# Altium PCB TEBF0808.PcbDoc (part 5 of 11)
Units mm, origin at the board's own origin, x right, y up, seen from the top; angles counter-clockwise.
Board outline 170 x 170 mm, 16 copper layers (L 01, L 02 G, L 03 S, L 04 G, L 05 S, L 06 G, L 07 P, L 08 P, L 09 P, L 10 P, L 11 G, L 12 S, L 13 G, L 14 S, L 15 G, L 16), stack 1.774 mm thick; 609 components, 869 nets, 3941 pads, 2358 vias.
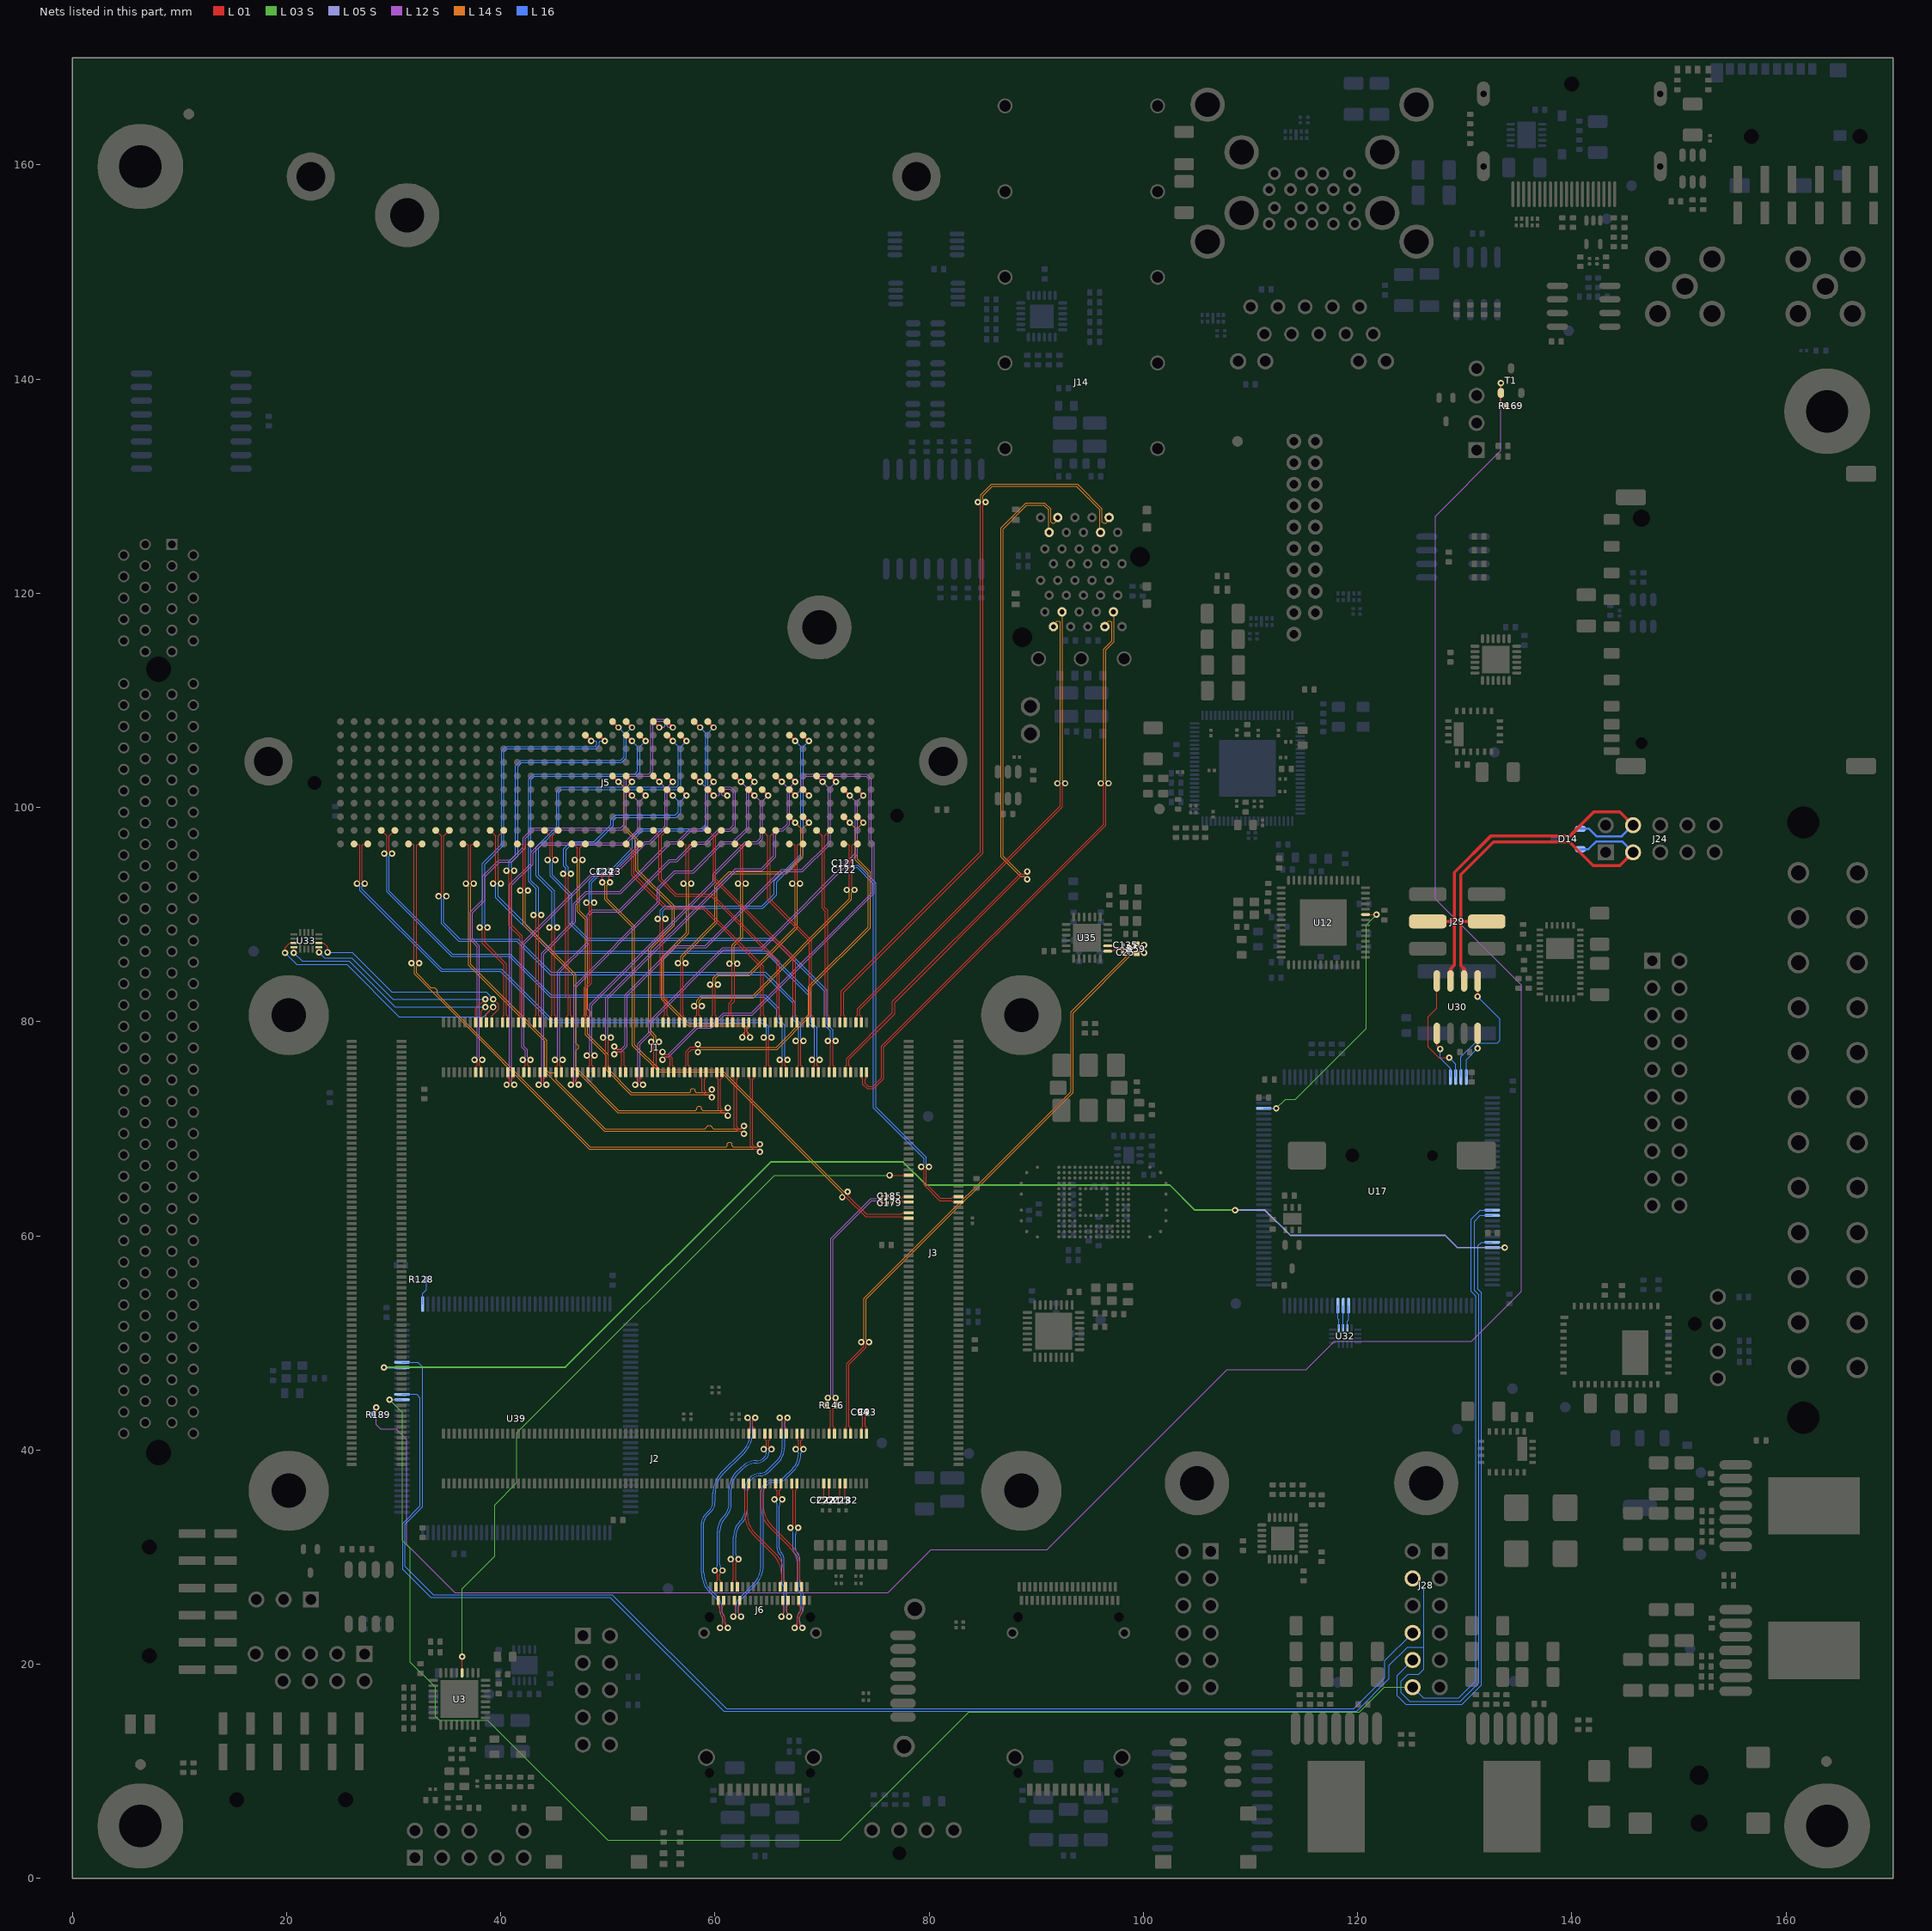
[diagram p19: the nets of this part, all layers, seen from the top]

## Via types
v1: diameter 0.6, hole 0.3, L 01 to L 16, 2356 vias
v2: diameter 0.6/0/0/0/0/0/0/0/0/0/0/0/0/0/0/0.6 (per signal layer), hole 0.3, L 01 to L 16, 2 vias

## Nets (pads, with @x,y where several pads share a name; then routed paths per layer and width w, separated by ;. In a path a pad name is that pad's centre, name@x,y a point inside that pad or via, vN(x,y) a via of type N, cw(c..) or ccw(c..) an arc to the next point about the centre after c; other vN are vias at no path point) (continued)
B66_L6_N: J1.77 J5.J7 | length 38.4
  L 01 w0.1: v1(54.65,89.6) 54.9,89.35 54.9,82.4 55.295,82.005 55.295,80.593 55.155,80.453 J1.77@55.155,79.938
  L 01 w0.2: J5.J7@66.946,106.745 v1(67.495,106.196)
  L 16 w0.1: v1(54.65,89.6) 54.9,89.85 54.9,90.4 55.3,90.8 64.4,90.8 65.53,91.93 65.53,93.13 68.02,95.62 68.02,105.671 v1(67.495,106.196)
B66_L6_P: J1.75 J5.J6 | length 38.4
  L 01 w0.1: v1(55.37,89.6) 55.12,89.35 55.12,82.491 55.515,82.096 55.515,80.593 55.655,80.453 J1.75@55.655,79.938
  L 01 w0.2: J5.J6@68.216,106.745 v1(68.765,106.196)
  L 16 w0.1: v1(55.37,89.6) 55.12,89.85 55.12,90.309 55.391,90.58 64.491,90.58 65.75,91.839 65.75,93.039 68.24,95.529 68.24,105.671 v1(68.765,106.196)
B66_L7_N: J1.100 J5.F8 | length 37
  L 01 w0.1: v1(49.545,78.5) 49.795,78.25 49.795,75.923 49.655,75.783 J1.100@49.655,75.268
  L 01 w0.2: J5.F8@65.676,102.935 v1(66.225,102.386)
  L 12 S w0.08: v1(49.545,78.5) 49.8,78.755 49.8,82.2 61.9,94.3 64.3,94.3 65.5,95.5 65.5,97.549 65.951,98 66.3,98 66.76,98.46 66.76,101.851 v1(66.225,102.386)
B66_L7_P: J1.98 J5.F7 | length 37
  L 01 w0.1: J1.98@50.155,75.268 50.155,75.783 50.015,75.923 50.015,78.25 v1(50.265,78.5)
  L 01 w0.2: J5.F7@66.946,102.935 v1(67.495,102.386)
  L 12 S w0.08: v1(50.265,78.5) 50,78.765 50,82.117 61.983,94.1 64.383,94.1 65.7,95.417 65.7,97.466 66.034,97.8 66.383,97.8 66.96,98.378 66.96,101.851 v1(67.495,102.386)
B66_L8_N: J1.130 J5.F17 | length 35.5
  L 01 w0.1: v1(42.045,76.43) 42.295,76.18 42.295,75.923 42.155,75.783 J1.130@42.155,75.268
  L 01 w0.2: J5.F17@54.246,102.935 v1(54.795,102.386)
  L 12 S w0.08: v1(42.045,76.43) 42.305,76.69 42.305,77.265 41.975,77.595 41.975,87.325 48.45,93.8 50.45,93.8 53.45,96.8 53.88,96.8 55.33,98.25 55.33,101.851 v1(54.795,102.386)
B66_L8_P: J1.128 J5.F16 | length 35.5
  L 01 w0.1: J1.128@42.655,75.268 42.655,75.783 42.515,75.923 42.515,76.18 v1(42.765,76.43)
  L 01 w0.2: J5.F16@55.516,102.935 v1(56.065,102.386)
  L 12 S w0.08: v1(42.765,76.43) 42.505,76.69 42.505,77.348 42.175,77.678 42.175,87.242 48.533,93.6 50.533,93.6 53.533,96.6 53.963,96.6 55.183,97.82 55.53,98.168 55.53,101.851 v1(56.065,102.386)
B66_L9_N: J1.76 J5.E7 | length 48.7
  L 01 w0.1: v1(55.1,76.45) 55.35,76.7 55.6,76.7 55.795,76.505 55.795,75.923 55.655,75.783 J1.76@55.655,75.268
  L 01 w0.2: J5.E7@66.946,101.665 v1(67.495,101.116)
  L 12 S w0.08: v1(55.1,76.45) 55.36,76.71 55.693,76.71 58.383,79.4 59.683,79.4 60.883,80.6 63.483,80.6 74.75,91.867 74.85,91.967 74.85,96.675 74.6,96.925 74.6,102.683 74.183,103.1 68.417,103.1 68.03,102.713 68.03,101.651 v1(67.495,101.116)
B66_L9_P: J1.74 J5.E6 | length 48
  L 01 w0.1: v1(55.1,77.17) 55.35,76.92 55.691,76.92 56.015,76.596 56.015,75.923 56.155,75.783 J1.74@56.155,75.268
  L 01 w0.2: J5.E6@68.216,101.665 v1(68.765,101.116)
  L 12 S w0.08: v1(55.1,77.17) 55.36,76.91 55.61,76.91 58.3,79.6 59.6,79.6 60.8,80.8 63.4,80.8 74.65,92.05 74.65,96.592 74.4,96.842 74.4,102.6 74.1,102.9 68.5,102.9 68.23,102.63 68.23,101.651 v1(68.765,101.116)
B66_L10_N: J1.135 J5.J21 | length 37.9
  L 01 w0.1: v1(38.75,88.8) 38.5,88.55 38.5,87.411 40.515,85.396 40.515,80.593 40.655,80.453 J1.135@40.655,79.938
  L 01 w0.2: J5.J21@49.166,106.745 v1(49.715,106.196)
  L 16 w0.1: v1(38.75,88.8) 38.5,89.05 38.5,94.689 40.3,96.489 40.3,105.2 40.58,105.48 48.891,105.48 49.19,105.779 49.19,106.1 49.286,106.196 v1(49.715,106.196)
B66_L10_P: J1.137 J5.J22 | length 37.9
  L 01 w0.1: v1(38.03,88.8) 38.28,88.55 38.28,87.32 40.295,85.305 40.295,80.593 40.155,80.453 J1.137@40.155,79.938
  L 01 w0.2: J5.J22@47.896,106.745 v1(48.445,106.196)
  L 16 w0.1: v1(38.03,88.8) 38.28,89.05 38.28,94.78 40.08,96.58 40.08,105.291 40.489,105.7 48.8,105.7 48.97,105.87 48.97,106.1 48.875,106.196 v1(48.445,106.196)
B66_L11_N: J1.92 J5.F5 | length 40.6
  L 01 w0.1: v1(50.6,77.67) 50.85,77.42 51.191,77.42 51.515,77.096 51.515,75.923 51.655,75.783 J1.92@51.655,75.268
  L 01 w0.2: J5.F5@69.486,102.935 v1(70.035,102.386)
  L 12 S w0.08: v1(50.6,77.67) 50.86,77.41 51.21,77.41 51.6,77.8 51.6,82.483 56.217,87.1 59.117,87.1 66.217,94.2 68.1,94.2 70.57,96.67 70.57,101.851 v1(70.035,102.386)
B66_L11_P: J1.94 J5.F4 | length 40.5
  L 01 w0.1: v1(50.6,76.95) 50.85,77.2 51.1,77.2 51.295,77.005 51.295,75.923 51.155,75.783 J1.94@51.155,75.268
  L 01 w0.2: J5.F4@70.756,102.935 v1(71.305,102.386)
  L 12 S w0.08: v1(50.6,76.95) 50.86,77.21 51.293,77.21 51.8,77.717 51.8,82.4 56.3,86.9 59.2,86.9 66.3,94 68.183,94 70.77,96.588 70.77,101.851 v1(71.305,102.386)
B66_L12_N: J1.116 J5.E13 | length 39.9
  L 01 w0.1: J1.116@45.655,75.268 45.655,75.783 45.515,75.923 45.515,76.18 v1(45.765,76.43)
  L 01 w0.2: J5.E13@59.326,101.665 v1(59.875,101.116)
  L 12 S w0.08: v1(45.765,76.43) 45.505,76.69 45.505,84.605 48.25,87.35 48.25,89.9 48.6,90.25 51.15,90.25 55.817,94.917 56.45,94.917 58.113,96.58 59.23,96.58 60.434,97.784 61.447,97.784 61.9,98.237 61.9,101.483 61.483,101.9 60.717,101.9 60.41,101.593 60.41,101.2 60.326,101.116 v1(59.875,101.116)
B66_L12_P: J1.118 J5.E12 | length 39.3
  L 01 w0.1: v1(45.045,76.43) 45.295,76.18 45.295,75.923 45.155,75.783 J1.118@45.155,75.268
  L 01 w0.2: J5.E12@60.596,101.665 v1(61.145,101.116)
  L 12 S w0.08: v1(45.045,76.43) 45.305,76.69 45.305,84.688 48.05,87.433 48.05,89.983 48.517,90.45 51.067,90.45 55.734,95.117 56.367,95.117 58.03,96.78 59.147,96.78 60.351,97.984 61.364,97.984 61.7,98.32 61.7,101.4 61.4,101.7 60.8,101.7 60.61,101.51 60.61,101.2 60.695,101.116 v1(61.145,101.116)
B66_L13_N: J1.88 J5.E3 | length 39.9
  L 01 w0.1: v1(52.545,74.106) 52.795,74.356 52.795,74.613 52.655,74.753 J1.88@52.655,75.268
  L 01 w0.2: J5.E3@72.026,101.665 v1(72.575,101.116)
  L 12 S w0.08: v1(52.545,74.106) 52.8,74.36 52.8,77.975 53.795,78.97 53.795,79.978 60.717,86.9 64.3,86.9 73.11,95.71 73.11,100.581 v1(72.575,101.116)
B66_L13_P: J1.86 J5.E2 | length 40
  L 01 w0.1: J1.86@53.155,75.268 53.155,74.753 53.015,74.613 53.015,74.356 v1(53.265,74.106)
  L 01 w0.2: J5.E2@73.296,101.665 v1(73.845,101.116)
  L 12 S w0.08: v1(53.265,74.106) 53,74.371 53,77.892 53.995,78.888 53.995,79.895 60.8,86.7 64.383,86.7 73.31,95.628 73.31,100.581 v1(73.845,101.116)
B66_L14_N: J1.146 J5.K17 | length 49.6
  L 01 w0.1: J1.146@38.155,75.268 38.155,75.783 38.015,75.923 38.015,76.18 v1(38.265,76.43)
  L 01 w0.2: J5.K17@54.246,108.015 v1(54.795,107.466)
  L 12 S w0.08: v1(38.265,76.43) 38.005,76.69 38.005,87.077 37.35,87.733 37.35,90.15 38.5,91.3 38.5,93.517 39.883,94.9 40.983,94.9 42.3,96.217 42.3,97.1 43.1,97.9 51.3,97.9 51.72,98.32 51.72,102.62 52,102.9 53.883,102.9 54.2,103.217 54.2,107.817 54.443,108.06 55.14,108.06 55.33,107.87 55.33,107.6 55.196,107.466 v1(54.795,107.466)
B66_L14_P: J1.148 J5.K16 | length 50.2
  L 01 w0.1: v1(37.545,76.43) 37.795,76.18 37.795,75.923 37.655,75.783 J1.148@37.655,75.268
  L 01 w0.2: J5.K16@55.516,108.015 v1(56.065,107.466)
  L 12 S w0.08: v1(37.545,76.43) 37.805,76.69 37.805,86.995 37.3,87.5 37.15,87.65 37.15,90.233 38.3,91.383 38.3,93.6 39.8,95.1 40.9,95.1 42.1,96.3 42.1,97.183 43.017,98.1 51.217,98.1 51.52,98.403 51.52,102.703 51.917,103.1 53.8,103.1 54,103.3 54,107.9 54.36,108.26 55.223,108.26 55.53,107.952 55.53,107.6 55.665,107.466 v1(56.065,107.466)
B66_L15_N: J1.136 J5.E19 | length 39
  L 01 w0.1: v1(40.545,74.106) 40.795,74.356 40.795,74.613 40.655,74.753 J1.136@40.655,75.268
  L 01 w0.2: J5.E19@51.706,101.665 v1(52.255,101.116)
  L 12 S w0.08: v1(40.545,74.106) 40.805,74.366 40.805,92.788 42.8,94.783 42.8,95.811 43.689,96.7 51.534,96.7 52.79,97.956 52.79,100.581 v1(52.255,101.116)
B66_L15_P: J1.134 J5.E18 | length 39
  L 01 w0.1: J1.134@41.155,75.268 41.155,74.753 41.015,74.613 41.015,74.356 v1(41.265,74.106)
  L 01 w0.2: J5.E18@52.976,101.665 v1(53.525,101.116)
  L 12 S w0.08: v1(41.265,74.106) 41.005,74.366 41.005,92.705 43,94.7 43,95.728 43.772,96.5 51.617,96.5 52.99,97.873 52.99,100.581 v1(53.525,101.116)
B66_L16_N: J1.122 J5.F13 | length 40
  L 01 w0.1: J1.122@44.155,75.268 44.155,74.753 44.015,74.613 44.015,74.356 v1(44.265,74.106)
  L 01 w0.2: J5.F13@59.326,102.935 v1(59.875,102.386)
  L 12 S w0.08: v1(44.265,74.106) 44.005,74.366 44.005,86.305 47,89.3 47,90.917 48.033,91.95 51.183,91.95 55.833,96.6 56.583,96.6 57.783,97.8 58.983,97.8 59.34,98.158 59.34,101.851 v1(59.875,102.386)
B66_L16_P: J1.124 J5.F14 | length 40
  L 01 w0.1: v1(43.545,74.106) 43.795,74.356 43.795,74.613 43.655,74.753 J1.124@43.655,75.268
  L 01 w0.2: J5.F14@58.056,102.935 v1(58.605,102.386)
  L 12 S w0.08: v1(43.545,74.106) 43.805,74.366 43.805,86.388 46.8,89.383 46.8,91 47.95,92.15 51.1,92.15 55.75,96.8 56.5,96.8 57.7,98 58.9,98 59.14,98.24 59.14,101.851 v1(58.605,102.386)
B66_L17_N: J1.107 J5.K14 | length 37.3
  L 01 w0.1: J1.107@47.655,79.938 47.655,80.453 47.795,80.593 47.795,83.206 48.25,83.661 48.25,90.85 v1(48,91.1)
  L 01 w0.2: J5.K14@58.056,108.015 v1(58.605,107.466)
  L 16 w0.1: v1(48,91.1) 48.25,91.35 48.25,93.05 49.411,94.211 50.302,94.211 52.3,96.209 52.3,97.2 53.12,98.02 58.72,98.02 59.13,98.43 59.13,106.941 v1(58.605,107.466)
B66_L17_P: J1.105 J5.K13 | length 37.3
  L 01 w0.1: J1.105@48.155,79.938 48.155,80.453 48.015,80.593 48.015,83.115 48.47,83.57 48.47,90.85 v1(48.72,91.1)
  L 01 w0.2: J5.K13@59.326,108.015 v1(59.875,107.466)
  L 16 w0.1: v1(48.72,91.1) 48.47,91.35 48.47,92.959 49.502,93.991 50.393,93.991 52.52,96.118 52.52,97.109 53.211,97.8 58.811,97.8 59.35,98.339 59.35,106.941 v1(59.875,107.466)
B66_L18_N: J1.131 J5.K20 | length 39.1
  L 01 w0.1: v1(40.53,94.1) 40.78,93.85 40.78,88.92 41.795,87.905 41.795,80.593 41.655,80.453 J1.131@41.655,79.938
  L 01 w0.2: J5.K20@50.436,108.015 v1(50.985,107.466)
  L 16 w0.1: v1(40.53,94.1) 40.78,94.35 40.78,94.98 41.38,95.58 41.38,103.891 41.889,104.4 51.2,104.4 51.51,104.71 51.51,106.941 v1(50.985,107.466)
B66_L18_P: J1.129 J5.K19 | length 39.1
  L 01 w0.1: v1(41.25,94.1) 41,93.85 41,89.011 42.015,87.996 42.015,80.593 42.155,80.453 J1.129@42.155,79.938
  L 01 w0.2: J5.K19@51.706,108.015 v1(52.255,107.466)
  L 16 w0.1: v1(41.25,94.1) 41,94.35 41,94.889 41.6,95.489 41.6,103.8 41.98,104.18 51.291,104.18 51.73,104.619 51.73,106.941 v1(52.255,107.466)
B66_L19_N: J1.123 J5.J18 | length 37.6
  L 01 w0.1: 43.515,89.65 43.515,80.593 43.655,80.453 J1.123@43.655,79.938 ; 43.515,89.7 v1(43.765,89.95)
  L 01 w0.2: J5.J18@52.976,106.745 v1(53.525,106.196)
  L 16 w0.1: 43.515,90.15 43.515,90.2 ; v1(43.765,89.95) 43.515,90.2 ; v1(53.525,106.196) 53,105.671 53,103.289 52.611,102.9 43.149,102.9 42.82,102.571 42.82,93.18 43.515,92.485 43.515,90.2
B66_L19_P: J1.125 J5.J19 | length 37.6
  L 01 w0.1: v1(43.045,89.95) 43.295,89.7 ; J1.125@43.155,79.938 43.155,80.453 43.295,80.593 43.295,89.65
  L 01 w0.2: J5.J19@51.706,106.745 v1(52.255,106.196)
  L 16 w0.1: v1(43.045,89.95) 43.295,90.2 ; 43.295,90.15 43.295,90.2 ; v1(52.255,106.196) 52.78,105.671 52.78,103.38 52.52,103.12 43.058,103.12 42.6,102.662 42.6,93.089 43.295,92.394 43.295,90.2
B66_L20_N: J1.111 J5.E15 | length 31.6
  L 01 w0.1: v1(46.55,93.8) 46.3,93.55 46.3,82.461 46.515,82.246 46.515,80.593 46.655,80.453 J1.111@46.655,79.938
  L 01 w0.2: J5.E15@56.786,101.665 v1(57.335,101.116)
  L 16 w0.1: v1(46.55,93.8) 46.3,94.05 46.3,94.411 46.1,94.611 46.1,96.059 46.641,96.6 48.811,96.6 50.5,98.289 50.5,98.789 50.791,99.08 56.38,99.08 56.81,99.51 56.81,100.591 v1(57.335,101.116)
B66_L20_P: J1.113 J5.E16 | length 31.6
  L 01 w0.1: v1(45.83,93.8) 46.08,93.55 46.08,82.37 46.295,82.155 46.295,80.593 46.155,80.453 J1.113@46.155,79.938
  L 01 w0.2: J5.E16@55.516,101.665 v1(56.065,101.116)
  L 16 w0.1: v1(45.83,93.8) 46.08,94.05 46.08,94.32 45.88,94.52 45.88,96.15 46.55,96.82 48.72,96.82 50.28,98.38 50.28,98.88 50.7,99.3 56.289,99.3 56.59,99.602 56.59,100.591 v1(56.065,101.116)
B66_L21_N: J1.104 J5.E9 | length 34.3
  L 01 w0.1: J1.104@48.655,75.268 48.655,75.783 48.515,75.923 48.515,76.58 v1(48.765,76.83)
  L 01 w0.2: J5.E9@64.406,101.665 v1(64.955,101.116)
  L 12 S w0.08: v1(48.765,76.83) 48.505,77.09 48.505,81.523 60.017,93.034 60.017,93.717 62.9,96.6 63.983,96.6 64.42,97.038 64.42,100.581 v1(64.955,101.116)
B66_L21_P: J1.106 J5.E10 | length 34.3
  L 01 w0.1: v1(48.045,76.83) 48.295,76.58 48.295,75.923 48.155,75.783 J1.106@48.155,75.268
  L 01 w0.2: J5.E10@63.136,101.665 v1(63.685,101.116)
  L 12 S w0.08: v1(48.045,76.83) 48.305,77.09 48.305,81.605 59.817,93.117 59.817,93.8 62.817,96.8 63.9,96.8 64.22,97.12 64.22,100.581 v1(63.685,101.116)
B66_L22_N: J1.117 J5.J15 | length 40
  L 01 w0.1: J1.117@45.155,79.938 45.155,80.453 45.015,80.593 45.015,88.55 v1(45.265,88.8)
  L 01 w0.2: J5.J15@56.786,106.745 v1(57.335,106.196)
  L 16 w0.1: v1(45.265,88.8) 45.015,89.05 45.015,92.196 43.52,93.691 43.52,96.22 45.42,98.12 45.42,101.42 45.68,101.68 56.491,101.68 56.81,101.999 56.81,105.671 v1(57.335,106.196)
B66_L22_P: J1.119 J5.J16 | length 40
  L 01 w0.1: v1(44.545,88.8) 44.795,88.55 44.795,80.593 44.655,80.453 J1.119@44.655,79.938
  L 01 w0.2: J5.J16@55.516,106.745 v1(56.065,106.196)
  L 16 w0.1: v1(44.545,88.8) 44.795,89.05 44.795,92.105 43.3,93.6 43.3,96.311 45.2,98.211 45.2,101.511 45.589,101.9 56.4,101.9 56.59,102.09 56.59,105.671 v1(56.065,106.196)
B66_L23_N: J1.110 J5.F10 | length 39
  L 01 w0.1: J1.110@47.155,75.268 47.155,74.753 47.015,74.613 47.015,74.356 v1(47.265,74.106)
  L 01 w0.2: J5.F10@63.136,102.935 v1(63.685,102.386)
  L 12 S w0.08: v1(47.265,74.106) 47.005,74.366 47.005,83.223 54.8,91.017 54.8,92.4 56.3,93.9 58,93.9 60.7,96.6 61.772,96.6 63.15,97.979 63.15,101.851 v1(63.685,102.386)
B66_L23_P: J1.112 J5.F11 | length 39
  L 01 w0.1: v1(46.545,74.106) 46.795,74.356 46.795,74.613 46.655,74.753 J1.112@46.655,75.268
  L 01 w0.2: J5.F11@61.866,102.935 v1(62.415,102.386)
  L 12 S w0.08: v1(46.545,74.106) 46.805,74.366 46.805,83.305 54.6,91.1 54.6,92.483 56.217,94.1 57.917,94.1 60.617,96.8 61.689,96.8 62.95,98.062 62.95,101.851 v1(62.415,102.386)
B66_L24_N: J1.80 J5.F19 | length 31.4
  L 01 w0.1: J1.80@54.655,75.268 54.655,75.783 54.515,75.923 54.515,77.853 v1(54.765,78.103)
  L 01 w0.2: J5.F19@51.706,102.935 v1(52.255,102.386)
  L 14 S w0.08: v1(52.255,102.386) 51.72,101.851 51.72,98.062 52.8,96.983 52.8,94.183 56.2,90.783 56.2,88.997 53.995,86.793 53.995,79.166 54.505,78.656 54.505,78.363 v1(54.765,78.103)
B66_L24_P: J1.82 J5.F20 | length 31.4
  L 01 w0.1: v1(54.045,78.103) 54.295,77.853 54.295,75.923 54.155,75.783 J1.82@54.155,75.268
  L 01 w0.2: J5.F20@50.436,102.935 v1(50.985,102.386)
  L 14 S w0.08: v1(50.985,102.386) 51.52,101.851 51.52,97.98 52.6,96.9 52.6,94.1 56,90.7 56,89.08 53.795,86.875 53.795,79.083 54.305,78.573 54.305,78.363 v1(54.045,78.103)
B66_T0: J1.147 U33.5 | length 20.3
  L 01 w0.1: v1(23.025,86.475) U33.5@23.025,86.95 ; J1.147@37.655,79.938 37.655,81.205 v1(38.55,82.1)
  L 16 w0.1: v1(23.025,86.475) 23.55,85.95 26.075,85.95 29.925,82.1 v1(38.55,82.1)
B66_T1: J1.145 U33.16 | length 22.1
  L 01 w0.1: v1(20.675,86.425) U33.16@20.675,86.95 ; J1.145@38.155,79.938 38.155,80.955 v1(38.55,81.35)
  L 16 w0.1: v1(20.675,86.425) 21.45,85.65 25.825,85.65 30.125,81.35 v1(38.55,81.35)
B66_T2: J1.143 U33.15 | length 25.5
  L 01 w0.1: v1(19.85,86.425) 19.85,86.914 20.286,87.35 U33.15@20.675,87.35 ; J1.143@38.655,79.938 38.655,80.705 v1(39.3,81.35)
  L 16 w0.1: v1(19.85,86.425) 20.95,85.325 25.625,85.325 30.511,80.439 38.389,80.439 v1(39.3,81.35)
B66_T3: J1.141 U33.6 | length 21.4
  L 01 w0.1: U33.6@23.025,87.35 23.45,87.35 23.825,86.975 v1(23.825,86.475) ; J1.141@39.155,79.938 39.155,80.505 39.8,81.15 39.8,81.6 v1(39.3,82.1)
  L 16 w0.1: v1(23.825,86.475) 26.125,86.475 29.825,82.775 38.625,82.775 v1(39.3,82.1)
B128_RX0_N: J2.46 J6.A15 | length 11
  L 01 w0.1: J2.46@63.155,36.868 63.155,36.353 63.015,36.213 63.015,34.012 ccw(c65.555,34.012) 63.759,32.216 65.701,30.274 cw(c63.905,28.478) 66.445,28.478 66.445,27.84 66.585,27.7 J6.A15@66.585,27.225
B128_RX0_P: J2.48 J6.A14 | length 10.9
  L 01 w0.1: J2.48@62.655,36.868 62.655,36.353 62.795,36.213 62.795,34.012 ccw(c65.555,34.012) 63.604,32.06 65.417,30.247 cw(c63.465,28.296) 66.225,28.296 66.225,27.84 66.085,27.7 J6.A14@66.085,27.225
B128_RX1_N: J2.40 J6.A18 | length 11
  L 01 w0.1: J2.40@64.655,36.868 64.655,36.353 64.515,36.213 64.515,34.853 ccw(c67.275,34.853) 65.324,32.901 67.201,31.024 cw(c65.405,29.228) 67.945,29.228 67.945,27.84 68.085,27.7 J6.A18@68.085,27.225
B128_RX1_P: J2.42 J6.A17 | length 11
  L 01 w0.1: J2.42@64.155,36.868 64.155,36.353 64.295,36.213 64.295,34.671 ccw(c66.835,34.671) 65.039,32.875 66.917,30.997 cw(c64.965,29.046) 67.725,29.046 67.725,27.84 67.585,27.7 J6.A17@67.585,27.225
B128_RX2_N: J2.34 J6.B15 | length 14.5
  L 01 w0.1: J2.34@66.155,36.868 66.155,36.353 66.015,36.213 66.015,35.825 ccw(c66.438,35.825) 66.139,35.526 v1(66.265,35.4) ; J6.B15@66.815,25.975 66.815,25.5 66.675,25.36 66.675,24.875 ccw(c67.097,24.875) 66.799,24.576 v1(66.925,24.45)
  L 16 w0.1: v1(66.265,35.4) ccw(c66.869,34.796) 66.015,34.796 66.015,30.846 ccw(c66.646,30.846) 66.2,30.4 cw(c65.609,29.809) 66.445,29.809 66.445,27.677 ccw(c66.652,27.677) 66.506,27.531 cw(c66.096,27.121) 66.675,27.121 66.675,25.054 ccw(c67.529,25.054) v1(66.925,24.45)
B128_RX2_P: J2.36 J6.B14 | length 14.5
  L 01 w0.1: v1(65.545,35.4) 65.672,35.526 ccw(c65.373,35.825) 65.795,35.825 65.795,36.213 65.655,36.353 J2.36@65.655,36.868 ; v1(66.205,24.45) 66.331,24.576 ccw(c66.033,24.875) 66.455,24.875 66.455,25.36 66.315,25.5 J6.B14@66.315,25.975
  L 16 w0.1: v1(65.545,35.4) cw(c64.942,34.796) 65.795,34.796 65.795,30.846 ccw(c66.646,30.846) 66.044,30.244 cw(c65.609,29.809) 66.225,29.809 66.225,27.677 ccw(c66.652,27.677) 66.35,27.375 cw(c66.096,27.121) 66.455,27.121 66.455,25.054 cw(c65.601,25.054) v1(66.205,24.45)
B128_RX3_N: J2.28 J6.B18 | length 16.9
  L 01 w0.1: J2.28@67.655,36.868 67.655,36.353 67.515,36.213 67.515,33 v1(67.765,32.75) ; 67.9,24.248 67.9,23.775 ccw(c68.202,23.775) 67.988,23.562 v1(68.15,23.4) ; 67.9,24.25 67.9,24.365 cw(c68.26,24.365) 68.006,24.619 ccw(c67.597,25.028) 68.175,25.028 68.175,25.36 68.315,25.5 J6.B18@68.315,25.975
  L 16 w0.1: v1(67.765,32.75) ccw(c68.369,32.146) 67.515,32.146 67.515,30.775 ccw(c67.975,30.775) 67.65,30.45 cw(c66.938,29.738) 67.945,29.738 67.945,27.218 ccw(c68.493,27.218) 68.106,26.831 cw(c67.709,26.434) 68.27,26.434 68.27,25.27 cw(c67.519,25.27) 68.05,24.739 ccw(c68.412,24.377) 67.9,24.377 67.9,24.004 ccw(c68.754,24.004) v1(68.15,23.4)
B128_RX3_P: J2.30 J6.B17 | length 16.9
  L 01 w0.1: v1(67.045,32.75) 67.295,33 67.295,36.213 67.155,36.353 J2.30@67.155,36.868 ; v1(67.43,23.4) 67.592,23.562 ccw(c67.378,23.775) 67.68,23.775 67.68,24.248 ; 67.68,24.25 67.68,24.365 cw(c68.26,24.365) 67.85,24.775 ccw(c67.597,25.028) 67.955,25.028 67.955,25.36 67.815,25.5 J6.B17@67.815,25.975
  L 16 w0.1: v1(67.045,32.75) cw(c66.442,32.146) 67.295,32.146 67.295,30.775 ccw(c67.975,30.775) 67.494,30.294 cw(c66.938,29.738) 67.725,29.738 67.725,27.218 ccw(c68.493,27.218) 67.95,26.675 cw(c67.709,26.434) 68.05,26.434 68.05,25.27 cw(c67.519,25.27) 67.894,24.894 ccw(c68.412,24.377) 67.68,24.377 67.68,24.004 cw(c66.826,24.004) v1(67.43,23.4)
B128_TX0_N: J2.43 J6.B3 | length 26.4
  L 01 w0.1: J6.B3@60.815,25.975 60.815,25.5 60.675,25.36 60.675,24.856 ccw(c60.931,24.856) 60.75,24.675 cw(c60.279,24.204) 60.945,24.204 60.945,24.175 ; 60.95,24.175 60.95,23.85 ccw(c61.433,23.85) 61.091,23.509 v1(61.2,23.4) ; J2.43@63.655,41.538 63.655,42.053 63.515,42.193 63.515,42.756 v1(63.765,43.006)
  L 16 w0.1: v1(61.2,23.4) 61.091,23.509 cw(c61.433,23.85) 60.95,23.85 60.95,24.232 ccw(c60.457,24.232) 60.806,24.581 cw(c61.121,24.896) 60.675,24.896 60.675,25.108 ccw(c58.857,25.108) 60.142,26.394 59.649,26.887 cw(c61.337,28.575) 58.95,28.575 58.95,33.17 cw(c59.806,33.17) 59.201,33.775 59.595,34.169 ccw(c58.579,35.185) 60.015,35.185 60.015,35.957 cw(c62.543,35.957) 60.756,37.744 62.707,39.696 ccw(c60.755,41.647) 63.515,41.647 63.515,42.675 cw(c63.71,42.675) 63.572,42.813 v1(63.765,43.006)
B128_TX0_P: J2.45 J6.B2 | length 26.4
  L 01 w0.1: J6.B2@60.315,25.975 60.315,25.5 60.455,25.36 60.455,24.856 ccw(c60.931,24.856) 60.594,24.519 cw(c60.279,24.204) 60.725,24.204 60.725,24.175 ; v1(60.48,23.4) 60.589,23.509 ccw(c60.247,23.85) 60.73,23.85 60.73,24.204 ; v1(63.045,43.006) 63.295,42.756 63.295,42.193 63.155,42.053 J2.45@63.155,41.538
  L 16 w0.1: v1(60.48,23.4) 60.589,23.509 ccw(c60.247,23.85) 60.73,23.85 60.73,24.232 ccw(c60.457,24.232) 60.65,24.425 cw(c61.121,24.896) 60.455,24.896 60.455,25.108 ccw(c58.857,25.108) 59.987,26.238 59.494,26.731 cw(c61.337,28.575) 58.73,28.575 58.73,33.17 cw(c59.806,33.17) 59.045,33.931 59.439,34.325 ccw(c58.579,35.185) 59.795,35.185 59.795,35.957 cw(c62.543,35.957) 60.6,37.9 62.551,39.851 ccw(c60.755,41.647) 63.295,41.647 63.295,42.675 ccw(c63.1,42.675) 63.238,42.813 v1(63.045,43.006)